# Altium PCB HK0J2071758B03-AM-FPC.PcbDoc (part 1 of 4)
Units mm, origin at the board's own origin, x right, y up, seen from the top; angles counter-clockwise.
Board outline 42.1 x 32.68 mm, 2 copper layers (TOP, BOTTOM), stack 0.321 mm thick; 42 components, 54 nets, 189 pads, 156 vias.
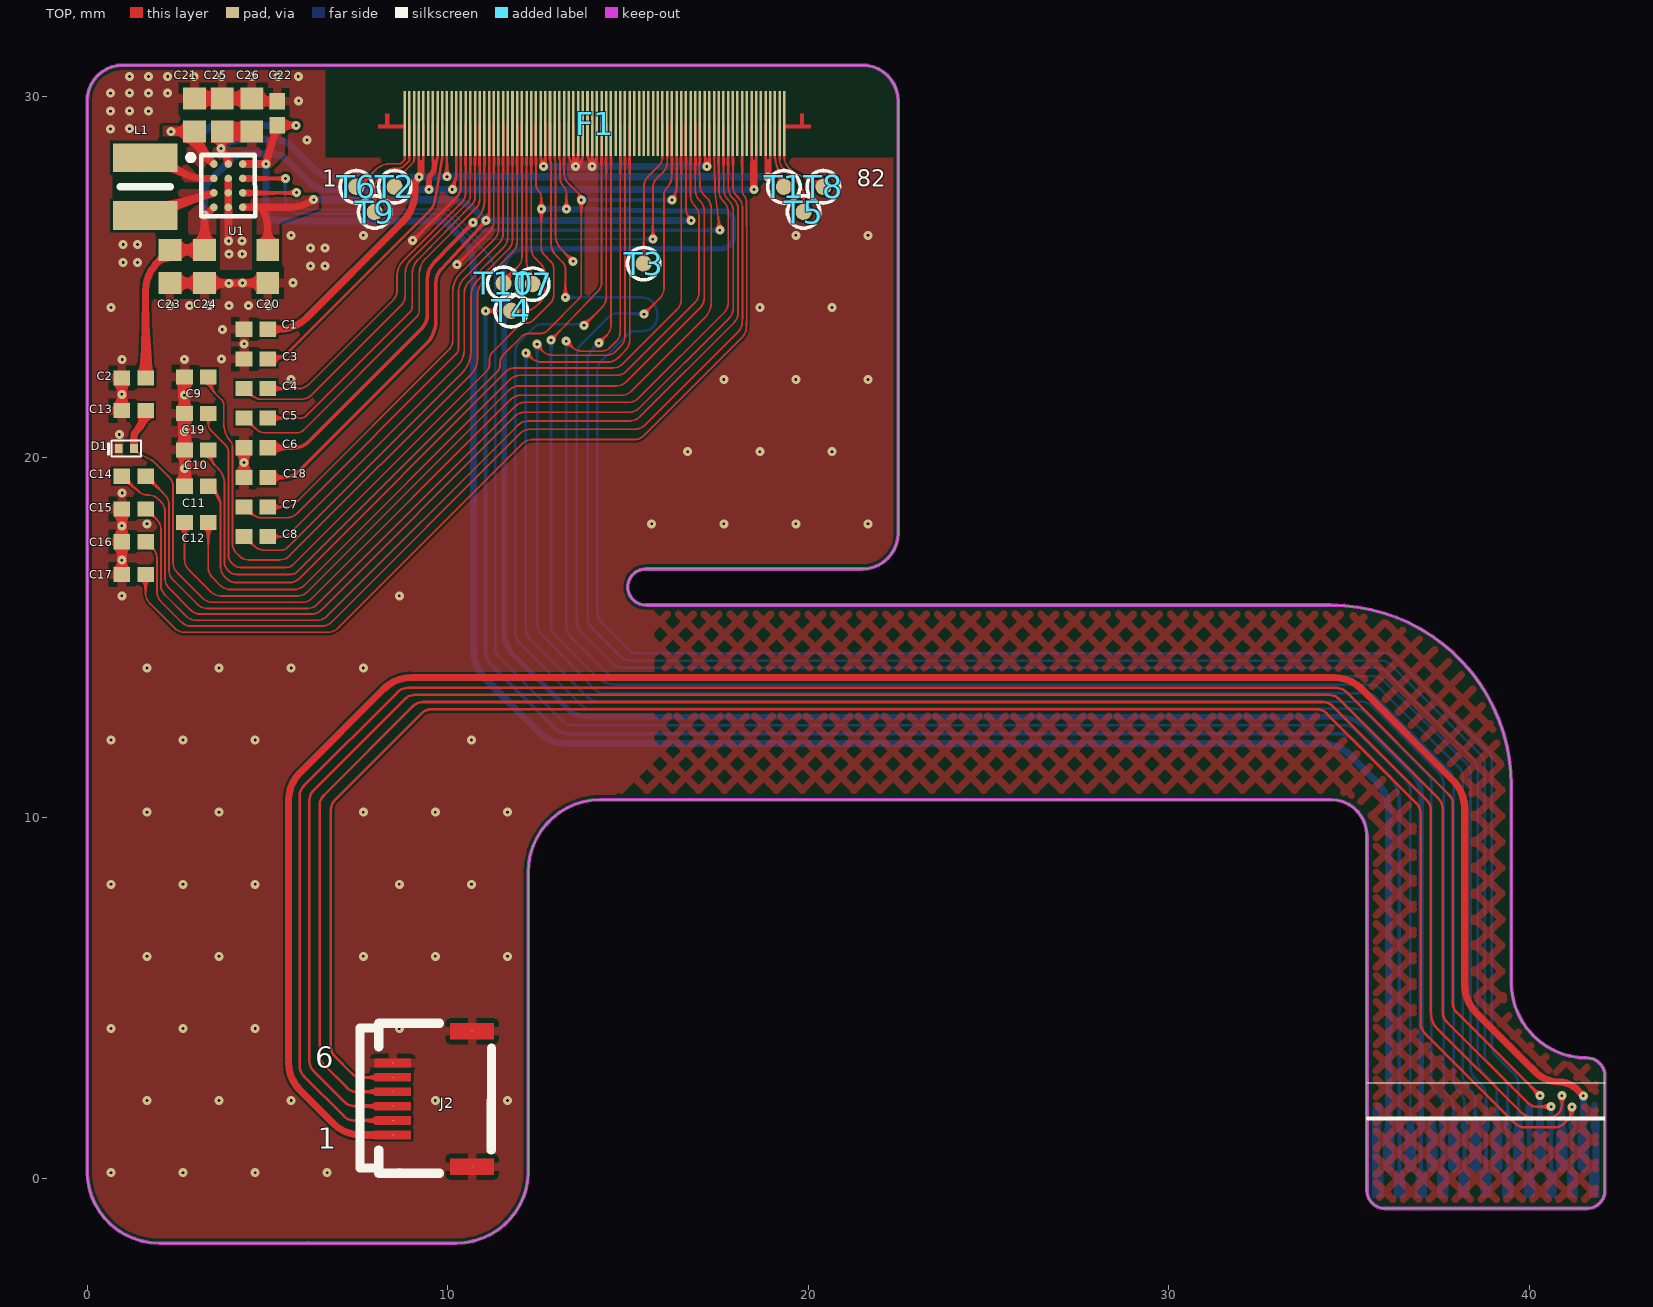
[diagram p0: TOP view]
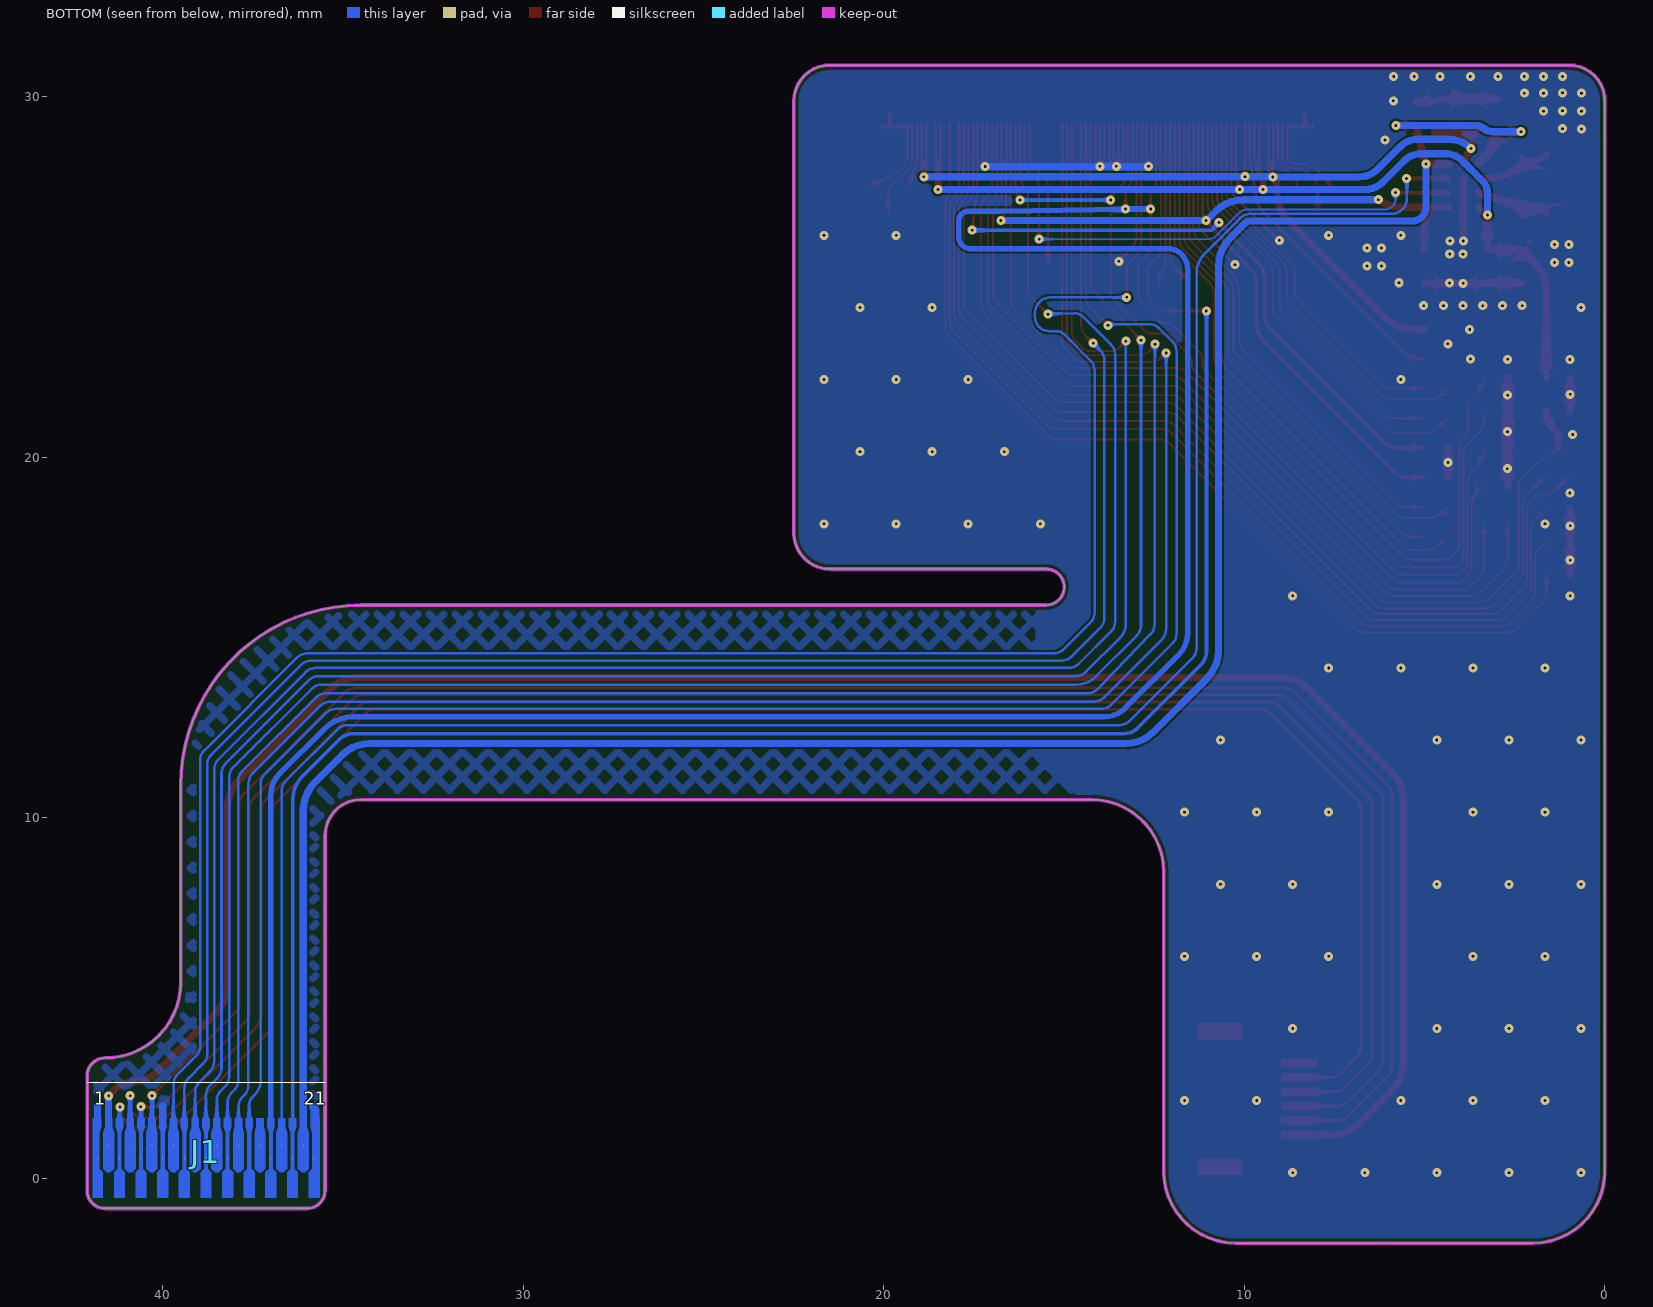
[diagram p1: BOTTOM view, seen from below]
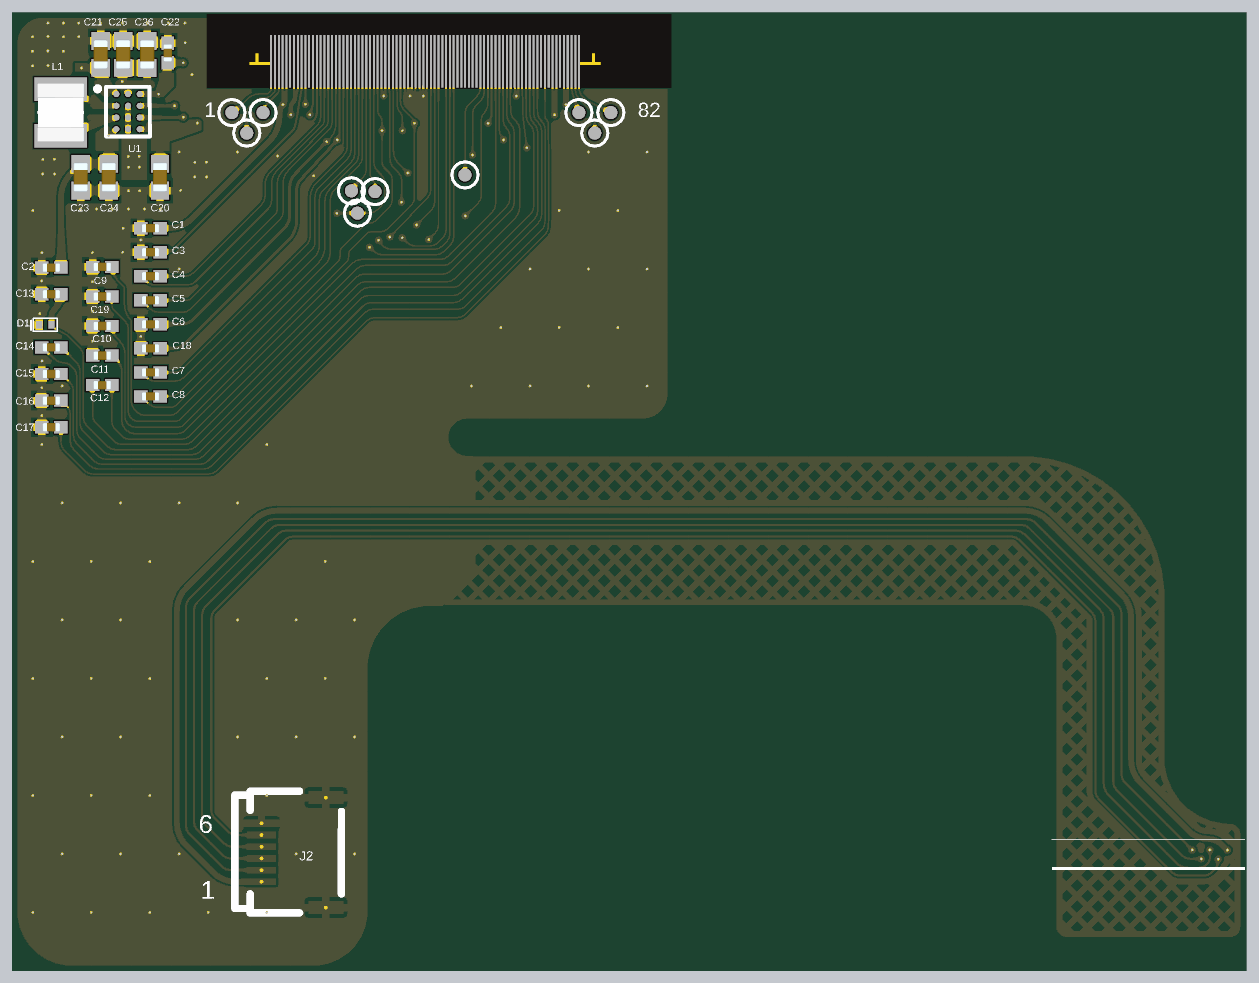
[diagram p5: 3D render of the assembled board from above, using the file's embedded part models]

## Layer stack, top to bottom
Top Stiffener: core 0.1, Core-009, Dk 4.5
Top Coverlay: solder mask 0.05, FC-001, Dk 4
TOP: signal copper 0.035
Adhesive 1: prepreg 0.013, PP-006, Dk 4.1
Polymide: core 0.025, Core-001, Dk 4.1
Adhesive 2: prepreg 0.013, PP-006, Dk 4.1
BOTTOM: signal copper 0.035
Bottom Coverlay: solder mask 0.05, FC-001, Dk 4
Bottom Stiffener: core 0.1, Core-009, Dk 4.5

## Board outline
2,-1.803 10.24,-1.803 ccw(c10.24,0.197) 12.24,0.197 12.24,8.497 cw(c14.24,8.497) 14.24,10.497 34.504,10.497 cw(c34.504,9.497) 35.504,9.497 35.504,-0.341 ccw(c36.004,-0.341) 36.004,-0.841 41.604,-0.841 ccw(c41.604,-0.341) 42.104,-0.341 42.104,2.834 ccw(c41.605,2.834) 41.604,3.334 cw(c41.604,5.434) 39.504,5.434 39.504,10.897 ccw(c34.505,10.897) 34.504,15.897 15.5,15.897 cw(c15.5,16.397) 15.5,16.897 21.5,16.897 ccw(c21.5,17.897) 22.5,17.897 22.5,29.876 ccw(c21.5,29.876) 21.5,30.876 1,30.876 ccw(c1,29.876) 0,29.876 0,0.197 ccw(c2,0.197)

## Design rules (kind name [scope] priority, off if disabled: settings)
BoardOutlineClearance [All] p1: gap=0.127 ignorepadtopadclearanceinfootprint=FALSE
Clearance [All] p1: gap=0.07 ignorepadtopadclearanceinfootprint=TRUE except(0.05: Arc-Region Track-Region SMDPad-Region Via-Region Region-Region; 0.06: Arc-Arc Arc-Track Arc-SMDPad Arc-THPad Arc-Via Arc-Fill Arc-Poly Arc-Text Arc-Hole Track-Track Track-SMDPad Track-THPad Track-Via Track-Fill Track-Poly Track-Text Track-Hole THPad-Region Fill-Region Poly-Region; 0.076: Text-Text Text-Hole)
ComponentClearance [All] p1: gap=0 collisioncheckmode=3 verticalgap=0.254 showdistances=FALSE
DiffPairsRouting [All] p1: maxlimit=0.254 minlimit=0.254 mostfreqgap=0.254 toplayer_minwidth=0.381 toplayer_maxwidth=0.381 toplayer_prefwidth=0.381 bottomlayer_minwidth=0.381 bottomlayer_maxwidth=0.381 bottomlayer_prefwidth=0.381 substack1={169C3359-E97F-47B8-B5D1-FE20E11E3A7F} toplayer_{169c3359-e97f-47b8-b5d1-fe20e11e3a7f}_minwidth=0.381 toplayer_{169c3359-e97f-47b8-b5d1-fe20e11e3a7f}_maxwidth=0.381 toplayer_{169c3359-e97f-47b8-b5d1-fe20e11e3a7f}_prefwidth=0.381 bottomlayer_{169c3359-e97f-47b8-b5d1-fe20e11e3a7f}_minwidth=0.381 bottomlayer_{169c3359-e97f-47b8-b5d1-fe20e11e3a7f}_maxwidth=0.381 bottomlayer_{169c3359-e97f-47b8-b5d1-fe20e11e3a7f}_prefwidth=0.381 substack2={AD35D62E-E976-4F43-AFB7-1F8630225B68} toplayer_{ad35d62e-e976-4f43-afb7-1f8630225b68}_minwidth=0.381 toplayer_{ad35d62e-e976-4f43-afb7-1f8630225b68}_maxwidth=0.381 toplayer_{ad35d62e-e976-4f43-afb7-1f8630225b68}_prefwidth=0.381 bottomlayer_{ad35d62e-e976-4f43-afb7-1f8630225b68}_minwidth=0.381 bottomlayer_{ad35d62e-e976-4f43-afb7-1f8630225b68}_maxwidth=0.381 bottomlayer_{ad35d62e-e976-4f43-afb7-1f8630225b68}_prefwidth=0.381 substack3={7EE685B5-E26D-42BB-97A2-8B5C11376137} toplayer_{7ee685b5-e26d-42bb-97a2-8b5c11376137}_minwidth=0.381 toplayer_{7ee685b5-e26d-42bb-97a2-8b5c11376137}_maxwidth=0.381 toplayer_{7ee685b5-e26d-42bb-97a2-8b5c11376137}_prefwidth=0.381 bottomlayer_{7ee685b5-e26d-42bb-97a2-8b5c11376137}_minwidth=0.381 bottomlayer_{7ee685b5-e26d-42bb-97a2-8b5c11376137}_maxwidth=0.381 bottomlayer_{7ee685b5-e26d-42bb-97a2-8b5c11376137}_prefwidth=0.381 substack4={C0098630-1477-4163-96F2-A121F3601C51} toplayer_{c0098630-1477-4163-96f2-a121f3601c51}_minwidth=0.381 toplayer_{c0098630-1477-4163-96f2-a121f3601c51}_maxwidth=0.381 toplayer_{c0098630-1477-4163-96f2-a121f3601c51}_prefwidth=0.381 bottomlayer_{c0098630-1477-4163-96f2-a121f3601c51}_minwidth=0.381 bottomlayer_{c0098630-1477-4163-96f2-a121f3601c51}_maxwidth=0.381 bottomlayer_{c0098630-1477-4163-96f2-a121f3601c51}_prefwidth=0.381 maxuncoupledlength=12.7
HoleSize [All] p1: absolutevalues=TRUE maxlimit=3.835 minlimit=0.075 maxpercent=80.000 minpercent=20.000
HoleToHoleClearance [All] p1: gap=0.102 allowstackedmicrovias=TRUE
MinimumSolderMaskSliver [All] p1: minsoldermaskwidth=0.025
PlaneConnect [All] p1: planeconnectstyle=Direct reliefexpansion=0.508 reliefentries=4 reliefconductorwidth=0.254 reliefairgap=0.254
PolygonConnect [All] p1: thpad.connectstyle=Relief thpad.reliefconductorwidth=0.254 thpad.reliefentries=4 thpad.polygonreliefangle="90 Angle" thpad.airgapwidth=0.254 smdpad.connectstyle=Relief smdpad.reliefconductorwidth=0.254 smdpad.reliefentries=4 smdpad.polygonreliefangle="90 Angle" smdpad.airgapwidth=0.127 via.connectstyle=Direct via.reliefconductorwidth=0.254 via.reliefentries=4 via.polygonreliefangle="90 Angle" via.airgapwidth=0.254
RoomDefinition FOF [InComponentClass('Room Definition1')] p1: confinementstyle=ConfineIn formatcopy=TRUE lockcomponents=FALSE outline 8.076,28.301 8.076,30.201 20.076,30.201 20.076,28.301
RoutingVias [All] p1: holewidth=0.075 width=0.25 viastyle="Through Hole" minholewidth=0.075 minwidth=0.152 maxholewidth=0.635 maxwidth=1.27
SilkToSilkClearance [All] p1: silktosilkclearance=0
SilkToSolderMaskClearance [IsPad] p1: minsilkscreentomaskgap=0 clearancetoexposedcopper=FALSE
SolderMaskExpansion [All] p1: expansion=0.05 istentingtop=FALSE
UnRoutedNet [All] p1: checkbadconnections=TRUE
Width Width_FOF [WithinRoom('FOF')] p1: maxlimit=0.254 minlimit=0.07 preferedwidth=0.07 substack1={169C3359-E97F-47B8-B5D1-FE20E11E3A7F} substack2={AD35D62E-E976-4F43-AFB7-1F8630225B68} substack3={7EE685B5-E26D-42BB-97A2-8B5C11376137} substack4={C0098630-1477-4163-96F2-A121F3601C51}
Width [All] p2: maxlimit=2 minlimit=0.05 preferedwidth=0.102 substack1={169C3359-E97F-47B8-B5D1-FE20E11E3A7F} substack2={AD35D62E-E976-4F43-AFB7-1F8630225B68} substack3={7EE685B5-E26D-42BB-97A2-8B5C11376137} substack4={C0098630-1477-4163-96F2-A121F3601C51} minimp=50.000000 maximp=50.000000 favimp=50.000000
21 further rules are at their usual default settings.

## Classes and differential pairs
component class COF: C1 C2 C3 C4 C5 C6 C7 C8 C9 C10 C11 C12 C13 C14 C15 C16 C17 C18 C19 C20 C26 D1 F1 J1 J2 L1 T1 T2 T4 T7 T8 T9 U1

## Components (designator, comment, footprint, x,y, rotation, side; value= is the part's Value field where it differs from the comment)
C1 "2.2uF/6.3V" CAPC0603X33N 4.682,23.547 r180 top
C2 "2.2uF/6.3V" CAPC0603X33N 1.293,22.199 r180 top
C3 "1.0uF/6.3V" CAPC0603X33N 4.682,22.725 r180 top
C4 "1.0uF/6.3V" CAPC0603X33N 4.682,21.903 r180 top
C5 "1.0uF/6.3V" CAPC0603X33N 4.682,21.081 r180 top
C6 "2.2uF/10V" CAPC0603X33N 4.682,20.259 r180 top
C7 "1.0uF/10V" CAPC0603X33N 4.682,18.616 r180 top
C8 "1.0uF/10V" CAPC0603X33N 4.682,17.794 r180 top
C9 "2.2uF/10V" CAPC0603X33N 3.033,22.222 r180 top
C10 "1.0uF/6.3V" CAPC0603X33N 3.033,20.202 r180 top
C11 "22nF/6.3V" CAPC0603X33N 3.033,19.192 r180 top
C12 "1.0uF/10V" CAPC0603X33N 3.033,18.182 r180 top
C13 "2.2uF/10V" CAPC0603X33N 1.293,21.289 r180 top
C14 "1.0uF/10V" CAPC0603X33N 1.293,19.47 r180 top
C15 "2.2uF/10V" CAPC0603X33N 1.293,18.561 r180 top
C16 "2.2uF/10V" CAPC0603X33N 1.293,17.651 r180 top
C17 "2.2uF/10V" CAPC0603X33N 1.293,16.742 r180 top
C18 "2.2uF/6.3V" CAPC0603X33N 4.682,19.438 r180 top
C19 "2.2uF/6.3V" CAPC0603X33N 3.033,21.212 r180 top
C20 "10uF/6.3V" CAPC1005X57N 5.01,25.29 r90 top
C21 "10uF/6.3V" CAPC1005X57N 2.982,29.49 r270 top
C22 "100nF/6.3V" CAPC0603X33N 5.277,29.54 r90 top
C23 "10uF/6.3V" CAPC1005X57N 2.297,25.29 r90 top
C24 "10uF/6.3V" CAPC1005X57N 3.258,25.29 r90 top
C25 "10uF/6.3V" CAPC1005X57N 3.749,29.49 r270 top
C26 "10uF/6.3V" CAPC1005X57N 4.571,29.489 r270 top
D1 "LDSR01S30ST5G" DFN0603-D_L0.6-W0.3-P0.34-RD 1.088,20.24 r0 top
F1 "COF" "COF CONNECTOR" 14.076,29.251 r0 top locked
J1 "FPC_Connector" "FPC CONNECTOR" 38.802,0.732 r180 bottom
J2 "OK-F401-06125" FFC-SMD_6P-P0.50_FH34SRJ-6S-0.5SH 9.581,2.197 r90 top
L1 "LQM2MPN2R2NG0L" LQM2MPN1R0NG0L 1.615,27.503 r270 top
T1 "Test_Point" TP-C045-PI 19.331,27.5 r0 top
T2 "Test_Point" TP-C045-PI 8.532,27.5 r0 top
T3 "Test_Point" TP-C045-PI 15.437,25.368 r0 top
T4 "Test_Point" TP-C045-PI 11.761,24.06 r90 top
T5 "Test_Point" TP-C045-PI 19.874,26.8 r0 top
T6 "Test_Point" TP-C045-PI 7.466,27.5 r0 top
T7 "Test_Point" TP-C045-PI 12.362,24.798 r0 top
T8 "Test_Point" TP-C045-PI 20.423,27.5 r0 top
T9 "Test_Point" TP-C045-PI 7.976,26.8 r0 top
T10 "Test_Point" TP-C045-PI 11.555,24.824 r0 top
U1 "BV6810A" WLCSP-12_L1.7-W1.5-R4-C3-P0.40-TL-1 3.917,27.531 r0 top

## Footprints (in the part's own frame and the unit in brackets; to place one, negate y for a bottom-side part, rotate by r counter-clockwise, add the part's x,y. Pads: shape width x height; smd on the part's side, far side on the other; paste and mask are expansions set on the pad)
CAPC0603X33N [mm]
  rect 0.46x0.42 smd: 1(-0.33,0) 2(0.33,0)
  body extent -0.3,-0.15 0.3,0.15, height 0.33
CAPC1005X57N [mm]
  rect 0.61x0.63 smd: 1(-0.46,0) 2(0.46,0)
  body extent -0.5,-0.25 0.5,0.25, height 0.57
"COF CONNECTOR" [mm]
  rect 0.07x1.8 smd: 1(-5.265,0) 2(-5.135,0) 3(-5.005,0) 4(-4.875,0) 5(-4.745,0) 6(-4.615,0) 7(-4.485,0) 8(-4.355,0) 9(-4.225,0) 10(-4.095,0) 11(-3.965,0) 12(-3.835,0) 13(-3.705,0) 14(-3.575,0) 15(-3.445,0) 16(-3.315,0) 17(-3.185,0) 18(-3.055,0) 19(-2.925,0) 20(-2.795,0) 21(-2.665,0) 22(-2.535,0) 23(-2.405,0) 24(-2.275,0) 25(-2.145,0) 26(-2.015,0) 27(-1.885,0) 28(-1.755,0) 29(-1.625,0) 30(-1.495,0) 31(-1.365,0) 32(-1.235,0) 33(-1.105,0) 34(-0.975,0) 35(-0.845,0) 36(-0.715,0) 37(-0.585,0) 38(-0.455,0) 39(-0.325,0) 40(-0.195,0) 41(-0.065,0) 42(0.065,0) 43(0.195,0) 44(0.325,0) 45(0.455,0) 46(0.585,0) 47(0.715,0) 48(0.845,0) 49(0.975,0) 50(1.105,0) 51(1.235,0) 52(1.365,0) 53(1.495,0) 54(1.625,0) 55(1.755,0) 56(1.885,0) 57(2.015,0) 58(2.145,0) 59(2.275,0) 60(2.405,0) 61(2.535,0) 62(2.665,0) 63(2.795,0) 64(2.925,0) 65(3.055,0) 66(3.185,0) 67(3.315,0) 68(3.445,0) 69(3.575,0) 70(3.705,0) 71(3.835,0) 72(3.965,0) 73(4.095,0) 74(4.225,0) 75(4.355,0) 76(4.485,0) 77(4.615,0) 78(4.745,0) 79(4.875,0) 80(5.005,0) 81(5.135,0) 82(5.265,0)
  TOP region: -5.3,-0.125 -5.3,-0.025 -5.7,-0.025 -5.7,0.275 -5.8,0.275 -5.8,-0.025 -6,-0.025 -6,-0.125
  TOP region: 5.3,-0.125 5.3,-0.025 5.7,-0.025 5.7,0.275 5.8,0.275 5.8,-0.025 6,-0.025 6,-0.125
DFN0603-D_L0.6-W0.3-P0.34-RD [mm]
  rect 0.22x0.26 smd paste+0 mask+0.051: 1(-0.21,0) 2(0.21,0)
  silkscreen extent -0.49,-0.22 0.41,0.22
FFC-SMD_6P-P0.50_FH34SRJ-6S-0.5SH [mm]
  round 0.025 smd: 1(-1,1.1) 2(-0.6,1.1) 3(-0.2,1.1) 4(0.2,1.1) 5(0.6,1.1) 6(1,1.1) 7(-1.88,-1.1) 8(1.88,-1.1)
  TOP region: 2.1,-0.5 1.66,-0.5 1.66,-1.7 2.1,-1.7
  TOP region: 1.115,1.6 0.885,1.6 0.885,0.6 1.115,0.6
  TOP region: -0.085,1.6 -0.315,1.6 -0.315,0.6 -0.085,0.6
  TOP region: -0.885,1.6 -1.115,1.6 -1.115,0.6 -0.885,0.6
  TOP region: -0.485,1.6 -0.715,1.6 -0.715,0.6 -0.485,0.6
  TOP region: 0.315,1.6 0.315,0.6 0.085,0.6 0.085,1.6
  TOP region: -1.66,-0.5 -2.1,-0.5 -2.1,-1.7 -1.66,-1.7
  TOP region: 0.715,1.6 0.485,1.6 0.485,0.6 0.715,0.6
  silkscreen extent -2.06,-1.63 2.1,2.01
"FPC CONNECTOR" [mm]
  round 0.025 smd: 1(-3.005,-0.175) 2(-2.705,0.175) 3(-2.405,-0.175) 4(-2.105,0.175) 5(-1.805,-0.175) 6(-1.505,0.175) 7(-1.205,-0.175) 8(-0.905,0.175) 9(-0.605,-0.175) 10(-0.305,0.175) 11(-0.005,-0.175) 12(0.295,0.175) 13(0.595,-0.175) 14(0.895,0.175) 15(1.195,-0.175) 16(1.495,0.175) 17(1.795,-0.175) 18(2.095,0.175) 19(2.395,-0.175) 20(2.695,0.175) 21(2.995,-0.175)
  TOP region: -2.255,-0.475 -2.255,0.525 -2.205,0.675 -2.205,0.925 -2.005,0.925 -2.005,0.675 -1.955,0.525 -1.955,-0.475 -2.055,-0.575 -2.155,-0.575
  TOP region: 2.845,-1.255 2.847,-1.263 2.851,-1.269 2.857,-1.273 2.865,-1.275 2.865,-1.275 3.125,-1.275 3.133,-1.273 3.139,-1.269 3.143,-1.263 3.145,-1.255 3.145,-1.255 3.145,0.925 2.895,0.925 2.895,0.675 2.945,0.525 2.945,-0.475 2.845,-0.575
  TOP region: 2.545,-0.475 2.545,0.525 2.595,0.675 2.595,0.925 2.795,0.925 2.795,0.675 2.845,0.525 2.845,-0.475 2.745,-0.575 2.645,-0.575
  TOP region: 2.245,-1.255 2.248,-1.265 2.255,-1.272 2.265,-1.275 2.265,-1.275 2.525,-1.275 2.533,-1.273 2.539,-1.269 2.543,-1.263 2.545,-1.255 2.545,-1.255 2.545,-0.575 2.445,-0.475 2.445,0.525 2.495,0.675 2.495,0.925 2.295,0.925 2.295,0.675 2.345,0.525 2.345,-0.475 2.245,-0.575
  TOP region: 1.945,-0.475 1.945,0.525 1.995,0.675 1.995,0.925 2.195,0.925 2.195,0.675 2.245,0.525 2.245,-0.475 2.145,-0.575 2.045,-0.575
  TOP region: 1.645,-1.255 1.648,-1.265 1.655,-1.272 1.665,-1.275 1.665,-1.275 1.925,-1.275 1.935,-1.272 1.942,-1.265 1.945,-1.255 1.945,-1.255 1.945,-0.575 1.845,-0.475 1.845,0.525 1.895,0.675 1.895,0.925 1.695,0.925 1.695,0.675 1.745,0.525 1.745,-0.475 1.645,-0.575
  TOP region: 1.345,-0.475 1.345,0.525 1.395,0.675 1.395,0.925 1.595,0.925 1.595,0.675 1.645,0.525 1.645,-0.475 1.545,-0.575 1.445,-0.575
  TOP region: 1.045,-1.255 1.047,-1.263 1.051,-1.269 1.057,-1.273 1.065,-1.275 1.065,-1.275 1.325,-1.275 1.333,-1.273 1.339,-1.269 1.343,-1.263 1.345,-1.255 1.345,-1.255 1.345,-0.575 1.245,-0.475 1.245,0.525 1.295,0.675 1.295,0.925 1.095,0.925 1.095,0.675 1.145,0.525 1.145,-0.475 1.045,-0.575
  TOP region: 0.745,-0.475 0.745,0.525 0.795,0.675 0.795,0.925 0.995,0.925 0.995,0.675 1.045,0.525 1.045,-0.475 0.945,-0.575 0.845,-0.575
  TOP region: 0.445,-1.255 0.445,-0.575 0.545,-0.475 0.545,0.525 0.495,0.675 0.495,0.925 0.695,0.925 0.695,0.675 0.645,0.525 0.645,-0.475 0.745,-0.575 0.745,-1.255 0.743,-1.263 0.739,-1.269 0.733,-1.273 0.725,-1.275 0.725,-1.275 0.465,-1.275 0.457,-1.273 0.451,-1.269 0.447,-1.263 0.445,-1.255
  TOP region: 0.145,-0.475 0.145,0.525 0.195,0.675 0.195,0.925 0.395,0.925 0.395,0.675 0.445,0.525 0.445,-0.475 0.345,-0.575 0.245,-0.575
  TOP region: -0.155,-1.255 -0.152,-1.265 -0.145,-1.272 -0.135,-1.275 -0.135,-1.275 0.125,-1.275 0.135,-1.272 0.142,-1.265 0.145,-1.255 0.145,-1.255 0.145,-0.575 0.045,-0.475 0.045,0.525 0.095,0.675 0.095,0.925 -0.105,0.925 -0.105,0.675 -0.055,0.525 -0.055,-0.475 -0.155,-0.575
  TOP region: -0.455,-0.475 -0.455,0.525 -0.405,0.675 -0.405,0.925 -0.205,0.925 -0.205,0.675 -0.155,0.525 -0.155,-0.475 -0.255,-0.575 -0.355,-0.575
  TOP region: -0.755,-1.255 -0.753,-1.263 -0.749,-1.269 -0.743,-1.273 -0.735,-1.275 -0.735,-1.275 -0.475,-1.275 -0.467,-1.273 -0.461,-1.269 -0.457,-1.263 -0.455,-1.255 -0.455,-1.255 -0.455,-0.575 -0.555,-0.475 -0.555,0.525 -0.505,0.675 -0.505,0.925 -0.705,0.925 -0.705,0.675 -0.655,0.525 -0.655,-0.475 -0.755,-0.575
  TOP region: -1.055,-0.475 -1.055,0.525 -1.005,0.675 -1.005,0.925 -0.805,0.925 -0.805,0.675 -0.755,0.525 -0.755,-0.475 -0.855,-0.575 -0.955,-0.575
  TOP region: -1.335,-1.275 -1.343,-1.273 -1.349,-1.269 -1.353,-1.263 -1.355,-1.255 -1.355,-1.255 -1.355,-0.575 -1.255,-0.475 -1.255,0.525 -1.305,0.675 -1.305,0.925 -1.105,0.925 -1.105,0.675 -1.155,0.525 -1.155,-0.475 -1.055,-0.575 -1.055,-1.255 -1.057,-1.263 -1.061,-1.269 -1.067,-1.273 -1.075,-1.275 -1.075,-1.275
  TOP region: -1.655,-0.475 -1.655,0.525 -1.605,0.675 -1.605,0.925 -1.405,0.925 -1.405,0.675 -1.355,0.525 -1.355,-0.475 -1.455,-0.575 -1.555,-0.575
  TOP region: -1.935,-1.275 -1.945,-1.272 -1.952,-1.265 -1.955,-1.255 -1.955,-1.255 -1.955,-0.575 -1.855,-0.475 -1.855,0.525 -1.905,0.675 -1.905,0.925 -1.705,0.925 -1.705,0.675 -1.755,0.525 -1.755,-0.475 -1.655,-0.575 -1.655,-1.255 -1.658,-1.265 -1.665,-1.272 -1.675,-1.275 -1.675,-1.275 -1.675,-1.275
  TOP region: -2.535,-1.275 -2.543,-1.273 -2.549,-1.269 -2.553,-1.263 -2.555,-1.255 -2.555,-1.255 -2.555,-0.575 -2.455,-0.475 -2.455,0.525 -2.505,0.675 -2.505,0.925 -2.305,0.925 -2.305,0.675 -2.355,0.525 -2.355,-0.475 -2.255,-0.575 -2.255,-1.255 -2.258,-1.265 -2.265,-1.272 -2.275,-1.275 -2.275,-1.275
  TOP region: -3.145,-1.275 -3.145,0.925 -2.915,0.925 -2.915,0.675 -2.965,0.525 -2.965,-0.475 -2.865,-0.575 -2.865,-1.255 -2.868,-1.265 -2.875,-1.272 -2.885,-1.275 -2.885,-1.275
  TOP region: -2.855,-0.475 -2.855,0.525 -2.805,0.675 -2.805,0.925 -2.605,0.925 -2.605,0.675 -2.555,0.525 -2.555,-0.475 -2.655,-0.575 -2.755,-0.575
LQM2MPN1R0NG0L [mm]
  rect 0.8x1.8 smd: 1(-0.8,0) 2(0.8,0)
  silkscreen extent 0,-0.7 0,0.7, body extent -1,-0.8 1,0.8, height 0.9
TP-C045-PI [mm] "TP-C045-PI"
  round 0.45 smd: 1(0,0)
  silkscreen extent -0.45,-0.45 0.45,0.45
WLCSP-12_L1.7-W1.5-R4-C3-P0.40-TL-1 [mm]
  round 0.21 smd paste+0 mask+0.051: A1(-0.4,0.6) A2(0,0.6) A3(0.4,0.6) B1(-0.4,0.2) B2(0,0.2) B3(0.4,0.2) C1(-0.4,-0.2) C2(0,-0.2) C3(0.4,-0.2) D1(-0.4,-0.6) D2(0,-0.6) D3(0.4,-0.6)
  silkscreen extent -1.11,-0.85 0.75,0.85, body extent -0.67,-0.81 0.67,0.81, height 0.25

## Part data
C1 C2 C3 C4 C5 C6 C7 C8 C9 C10 C11 C12 C13 C14 C15 C16 C17 C18 C19 C20 C21 C22 C23 C24 C25 C26: library part Capacitor, "NONE", Capacitance=1uF, Case Code (Imperial)=0201, Case Code (Metric)=0603, Dielectric=X5R, Manufacturer=Murata, Manufacturer Part Number=GRM033R61A105ME15D, Max Operating Temperature=85°C, Min Operating Temperature=-55°C, Tolerance=20%, Voltage Rating=10V, AMBIQ PN=GRM033R61A105ME15D, Case/Package=0201, Category="Ceramic Capacitors", ComponentLink1Description=http://search.murata.co.jp/Ceramy/image/img/A01X/G101/ENG/GRM033R61A105ME15-01.pdf?src-supplier=Digi-Key, ComponentLink1URL=http://search.murata.co.jp/Ceramy/image/img/A01X/G101/ENG/GRM033R61A105ME15-01.pdf?src-supplier=Digi-Key, Length=0.024inch, Mount="Surface Mount", Packaging="Tape and Reel", Pricing 1="1=0.35440, 10=0.26860, 25=0.26600, 50=0.24050, 100=0.18220, 250=0.18020, 500=0.17800, 1000=0.12040, 3000=0.11920, 6000=0.08160,", RoHS=Yes, RoHS Compliant=Yes, Stock 1=387591, Supplier 1="Arrow Electronics", Supplier Part Number 1=GRM033R61A105ME15D, Thickness=0.015inch, Voltage Rating (DC)=10V, Width=0.012inch
D1: Average Rectified Current (Io)=0.1A, Forward Voltage (Vf@If)=0.62V, JLCPCB Part Class="Extended Part", LCSC Part Name="电压:30V 电流:100mA", Manufacturer=LRC(乐山无线电), Reverse Leakage Current (Ir)=0.35uA, Reverse Voltage (Vr)=30V, Add into BOM=yes, Convert to PCB=yes, Datasheet=https://atta.szlcsc.com/upload/public/pdf/source/20190402/C383209_E6CC6AB1DDDAFF419D608D9457880F70.pdf, Device=LDSR01S30ST5G, Manufacturer Part=LDSR01S30ST5G, Supplier=LCSC, Supplier Footprint=DFN0603, Supplier Part=C383209, Symbol=LDSR01S30ST5G
J1: library part 21Pin_Connector
L1: "Inductor", Manufacturer_Name="Murata Electronics", Mouser Part Number=81-LQM2MPN2R2NG0L, Arrow Part Number=LQM2MPN2R2NG0L, Arrow Price/Stock=https://www.arrow.com/en/products/lqm2mpn2r2ng0l/murata-manufacturing?region=nac, Datasheet Link=https://psearch.en.murata.com/inductor/product/LQM2MPN2R2NG0%23.html, Height=1mm, Manufacturer_Part_Number=LQM2MPN2R2NG0L, Mouser Price/Stock=https://www.mouser.co.uk/ProductDetail/Murata-Electronics/LQM2MPN2R2NG0L?qs=%2F%252BYoplLUB5hok3HfggX2sA%3D%3D

## Via types
v1: diameter 0.25, hole 0.075, TOP to BOTTOM, tented both sides, 156 vias
